# Altium PCB HallFM2_1.PcbDoc (part 3 of 3)
Units mm, origin at the board's own origin, x right, y up, seen from the top; angles counter-clockwise.
Board outline 114 x 97 mm, 4 copper layers (Top Layer, Signal Layer 1, Signal Layer 2, Bottom Layer), stack 0.971 mm thick; 267 components, 203 nets, 952 pads, 270 vias.
Unrouted connection lines stored in the file: 252.
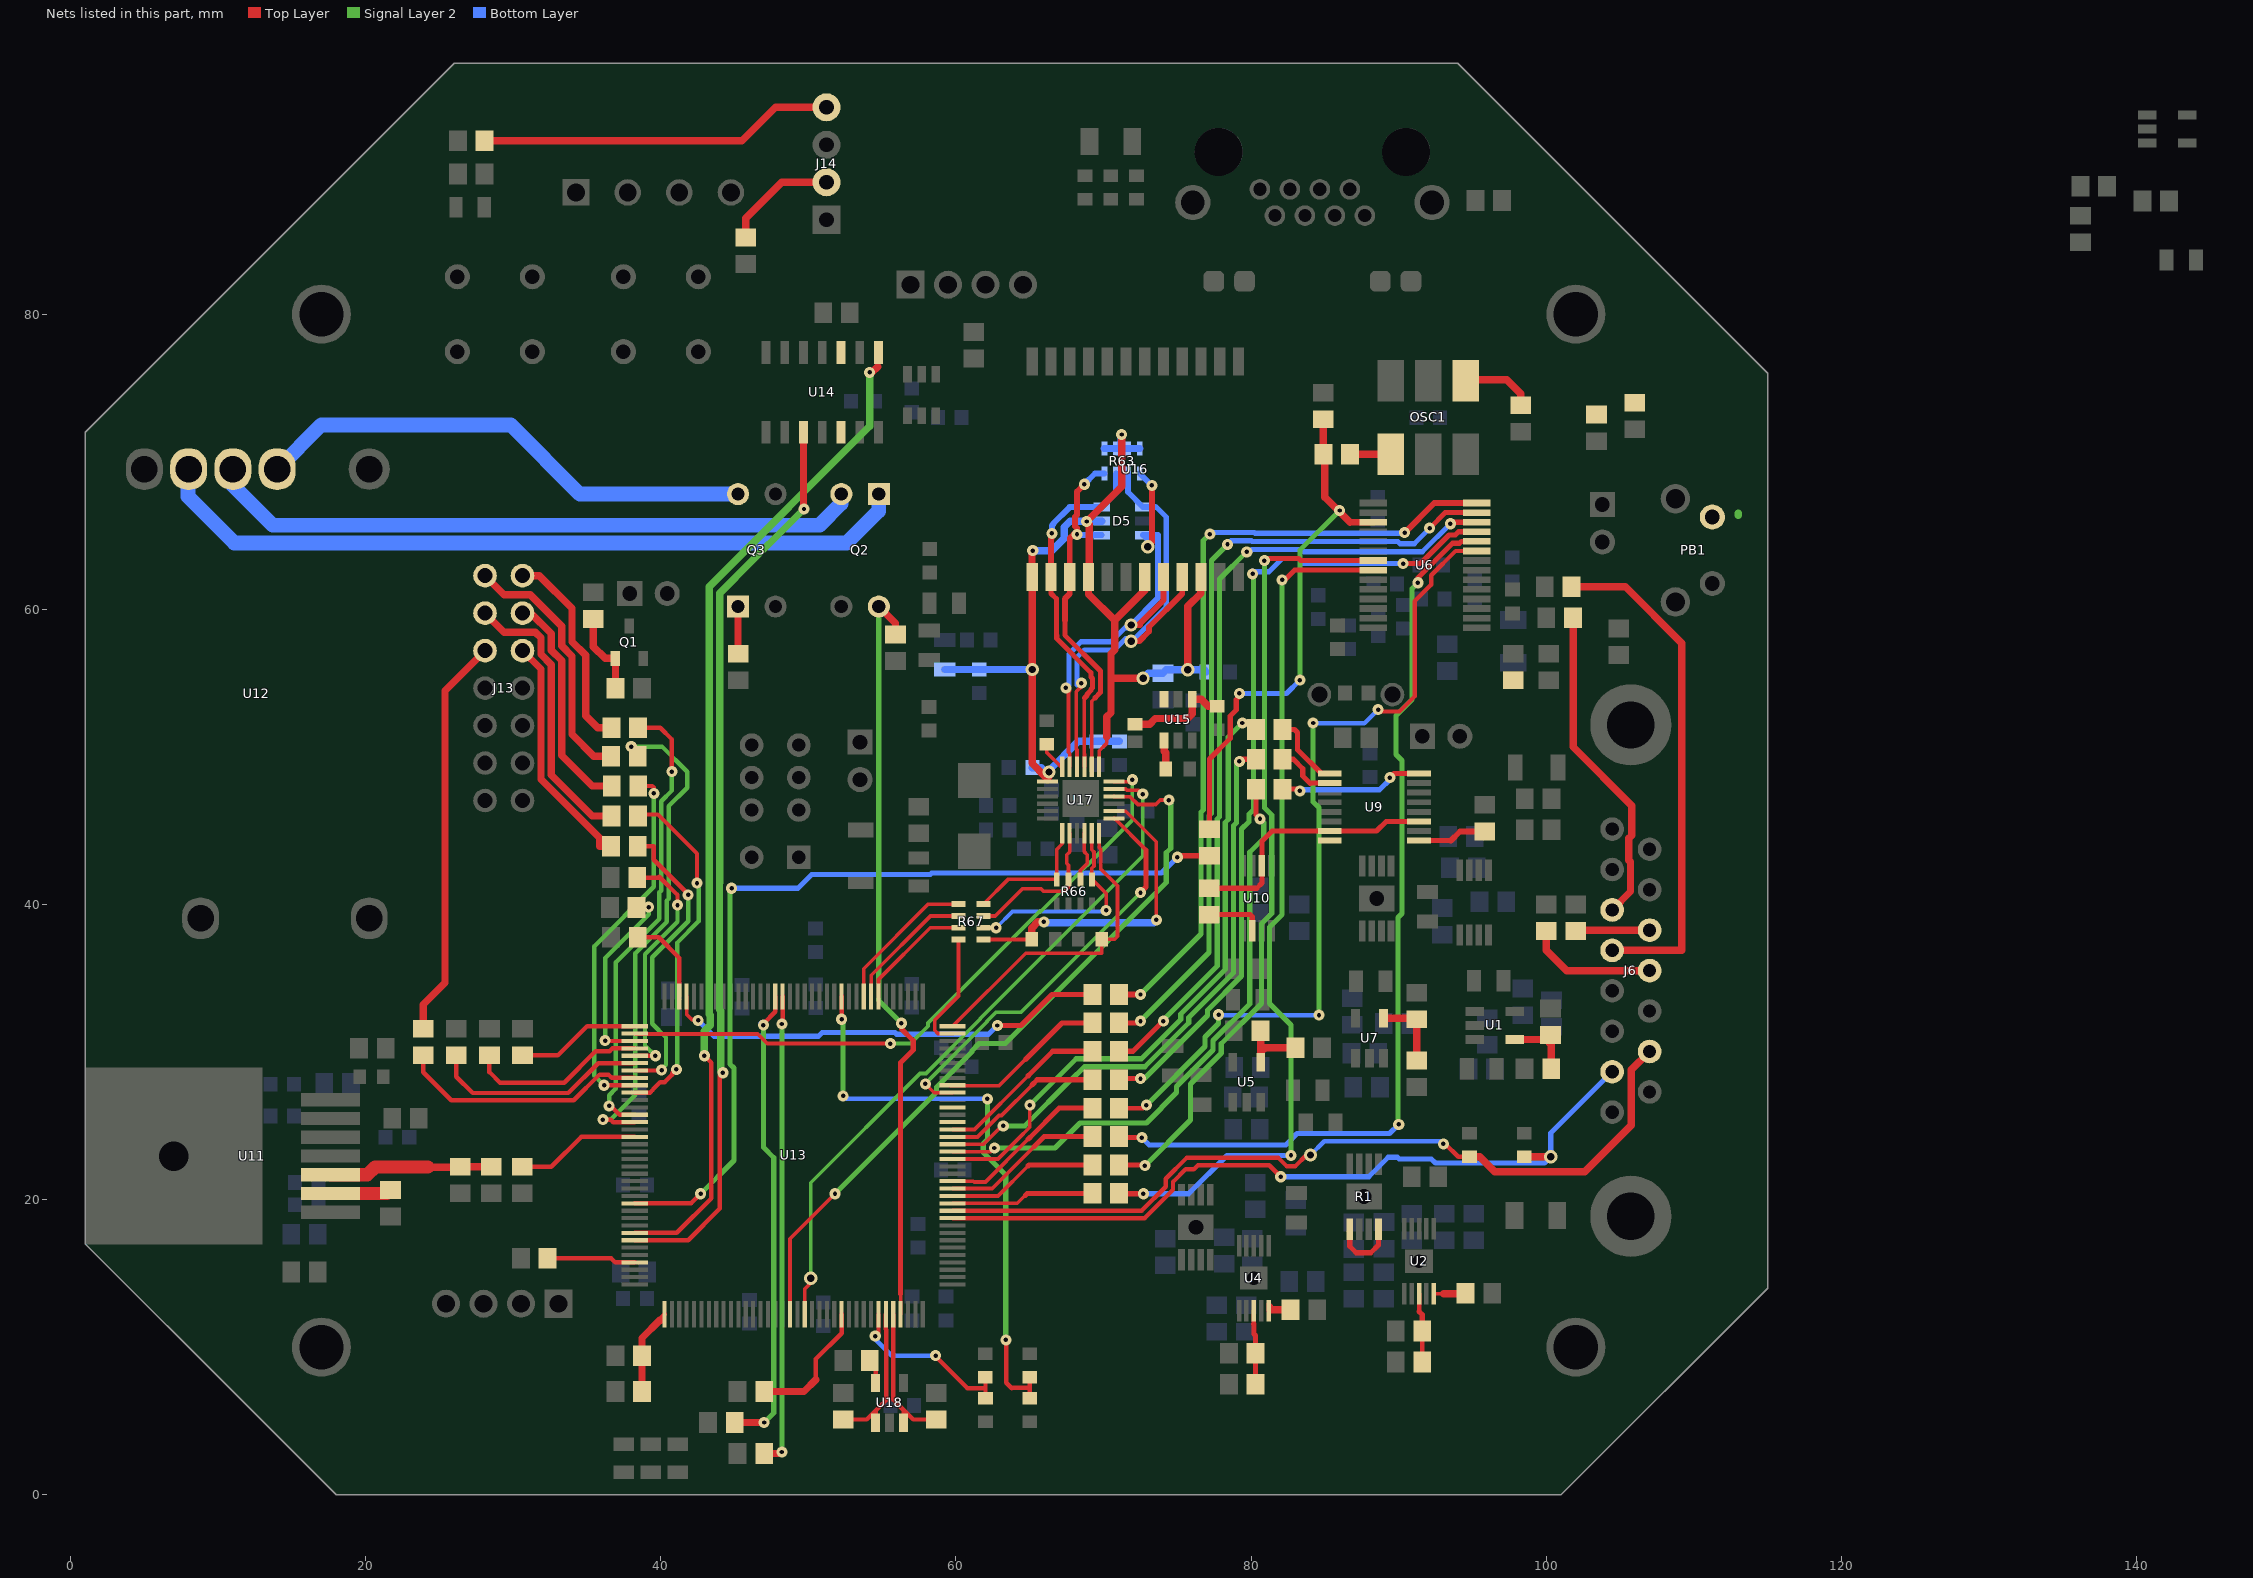
[diagram p4: the nets of this part, all layers, seen from the top]

## Via types
v1: diameter 0.75, hole 0.3, Top Layer to Bottom Layer, 182 vias
v2: diameter 0.9, hole 0.5, Top Layer to Bottom Layer, 84 vias
v3: diameter 1.27, hole 0.711, Top Layer to Bottom Layer, 4 vias

## Nets (pads, with @x,y where several pads share a name; then routed paths per layer and width w, separated by ;. In a path a pad name is that pad's centre, name@x,y a point inside that pad or via, vN(x,y) a via of type N, cw(c..) or ccw(c..) an arc to the next point about the centre after c; other vN are vias at no path point) (continued)
NetJ13_9: J13.9 R86.1 | length 16.2
  Top Layer w0.5: J13.9@30.625,57.205 31.875,55.955 31.875,48.476 35.85,44.501 35.85,43.95 R86.1@36.625,43.95
NetJ13_10: J13.10 R88.1 | length 27.4
  Top Layer w0.5: R88.1@23.9,31.575 23.9,33.225 25.375,34.7 25.375,54.495 J13.10@28.085,57.205
NetJ13_11: J13.11 R90.1 | length 15.3
  Top Layer w0.5: J13.11@30.625,59.745 31.195,59.745 32.575,58.365 32.575,57.235 33.275,56.535 33.275,50.1 35.348,48.027 R90.1@36.677,48.027
NetJ13_12: J13.12 R92.1 | length 19.3
  Top Layer w0.5: J13.12@28.085,59.745 29.375,58.455 31.495,58.455 31.875,58.075 31.875,56.945 32.575,56.245 32.575,48.777 35.352,46 R92.1@36.65,46
NetJ13_13: J13.13 R94.1 | length 14
  Top Layer w0.5: J13.13@30.625,62.285 31.765,62.285 33.975,60.075 33.975,57.815 34.9,56.89 34.9,52.8 35.725,51.975 R94.1@36.65,51.975
NetJ13_14: J13.14 R95.1 | length 17.5
  Top Layer w0.5: J13.14@28.085,62.285 29.37,61 31.138,61 33.275,58.863 33.275,57.525 33.975,56.825 33.975,51.525 35.45,50.05 R95.1@36.625,50.05
NetJ14_2: J14.2 R78.2 | length 7.8
  Top Layer w0.5: R78.2@45.75,85.2 45.75,86.5 48.19,88.94 J14.2@51.225,88.94
NetJ14_4: J14.4 R80.2 | length 24.1
  Top Layer w0.5: R80.2@28.05,91.75 45.5,91.75 47.77,94.02 J14.4@51.225,94.02
NetOSC1_1: OSC1.1 R56.2 | length 4.9
  Top Layer w0.5: OSC1.1@94.54,75.5 94.59,75.55 97.325,75.55 98.275,74.6 R56.2@98.275,73.825
NetOSC1_4: OSC1.4 R54.1 U13.23 | length 2.8
  Top Layer w0.5: R54.1@86.7,70.5 OSC1.4@89.46,70.5
NetPB1_1: PB1.1 U15.3 | length 0.1
  Signal Layer 2 w0.5: 113,66.375 113,66.5
NetQ1_1: Q1.1 R48.2 R49.1 | length 5.7
  Top Layer w0.5: R48.2@35.425,59.35 35.425,57.475 36.225,56.675 Q1.1@36.9,56.675 36.925,56.65 R49.1@36.925,54.65
NetQ2_1: Q2.1 U12.4 | length 52
  Bottom Layer w1: U12.4@8,69.5 7.95,69.45 7.95,67.65 11.1,64.5 52.6,64.5 54.77,66.67 Q2.1@54.77,67.81
NetQ2_2: Q2.2 U12.3 | length 44.7
  Bottom Layer w1: U12.3@11,69.5 11,68.4 13.7,65.7 50.75,65.7 52.23,67.18 Q2.2@52.23,67.81
NetQ2_4: Q2.4 R51.1 U13.141 | length 51.6
  Top Layer w0.25: U13.141@56.25,12.23 56.25,13.598
  Top Layer w0.35: 56.25,13.598 56.25,29.288 57.103,30.141 57.103,30.762 56.303,31.562 v1(56.303,31.952)
  Top Layer w0.5: Q2.4@54.77,60.19 55.9,59.06 R51.1@55.9,58.3
  Signal Layer 2 w0.35: Q2.4@54.77,60.19 54.77,33.484 v1(56.303,31.952)
NetQ3_1: Q3.1 R50.1 | length 3.2
  Top Layer w0.5: Q3.1@45.23,60.19 45.23,57.02 R50.1@45.25,57
NetQ3_4: Q3.4 U12.2 | length 34.4
  Bottom Layer w1: U12.2@14,69.5 17,72.5 29.825,72.5 34.515,67.81 Q3.4@45.23,67.81
NetR1_5: R1.5 R1.8 | length 4.6
  Top Layer w0.35: R1.5@86.68,18.005 86.68,16.845 87.125,16.4 88.103,16.4 88.63,16.927 R1.8@88.63,18.005
NetR2_1: R2.1 R4.2 U1.4 | length 4.7
  Top Layer w0.5: U1.4@97.855,30.855 R2.1@99.98,30.855 ; R2.1@100.28,31.155 R2.1@99.98,30.855 ; R4.2@100.33,28.88 100.33,30.505 R2.1@99.98,30.855
NetR3_2: R3.2 R34.2 U2.3 | length 4.7
  Top Layer w0.3: 91.38,12.42 U2.3@91.38,13.63 ; R34.2@91.6,9 R3.2@91.6,11.1
  Top Layer w0.35: 91.38,12.42 91.6,12.2 R3.2@91.6,11.1
NetR5_2: R5.2 U2.5 | length 2.2
  Top Layer w0.25: U2.5@92.38,13.63 93.055,13.63
  Top Layer w0.5: 93.055,13.63 94.505,13.63 R5.2@94.53,13.655
NetR9_2: R9.2 R72.2 U4.3 | length 5
  Top Layer w0.3: 80.18,11.555 U4.3@80.18,12.48
  Top Layer w0.35: 80.18,11.555 80.2,11.535 80.2,10.9 80.3,10.8 R9.2@80.3,9.6 R72.2@80.3,7.5
NetR10_2: R10.2 U4.5 | length 2.2
  Top Layer w0.3: U4.5@81.18,12.48 81.18,12.95 81.377,12.753 81.377,12.548
  Top Layer w0.5: 81.377,12.548 R10.2@82.673,12.548
NetR11_1: R11.1 U18.5 | length 1.7
  Top Layer w0.3: R11.1@54.155,9.1 54.55,8.705 U18.5@54.55,7.575
NetR12_1: R12.1 R14.2 U5.4 | length 3.9
  Top Layer w0.5: R12.1@80.655,31.43 80.655,30 80.955,30.3 R14.2@83,30.3
NetR13_1: R13.1 U6.24 | length 62.7
  Top Layer w0.35: R13.1@71.05,24.275 71.125,24.2 v1(72.6,24.2) ; v1(91.3,61.8) 91.3,62.142 93.638,64.48 94.125,64.48 94.25,64.605 U6.24@95.28,64.605
  Signal Layer 2 w0.35: v1(90,25.1) 89.95,25.15 89.95,39.111 90.225,39.386 90.225,49.767 89.825,50.167 89.825,50.52 89.819,50.526 89.819,52.808 90.9,53.888 90.9,61.4 v1(91.3,61.8)
  Bottom Layer w0.35: v1(72.6,24.2) 73.095,23.705 82.344,23.705 83.115,24.476 89.376,24.476 v1(90,25.1)
NetR13_2: R13.2 U13.14 | length 10.9
  Top Layer w0.25: U13.14@59.77,20.75 62.45,20.75 65.3,23.6
  Top Layer w0.35: 65.3,23.6 65.975,24.275 R13.2@69.25,24.275
NetR15_1: R15.1 U6.23 | length 57.5
  Top Layer w0.3: R15.1@71.05,26.2 72.7,26.2 v1(72.9,26.4) ; v1(88.6,53.2) 88.725,53.075 90.051,53.075 91.075,54.099 91.075,60.55 92.203,61.677 92.203,62.303 93.855,63.955 U6.23@95.28,63.955
  Signal Layer 2 w0.35: v1(72.9,26.4) 76.875,30.375 76.875,31.016 77.791,31.932 v1(77.791,32.529) ; v1(84.2,52.3) 84.2,46.967 84.6,46.567 v1(84.6,32.5)
  Bottom Layer w0.3: v1(77.791,32.529) 77.679,32.529 77.575,32.425 77.65,32.5 v1(84.6,32.5) ; v1(84.2,52.3) 84.225,52.275 87.675,52.275 v1(88.6,53.2)
NetR15_2: R15.2 U13.15 | length 11.6
  Top Layer w0.25: U13.15@59.77,21.25 61.179,21.25 61.229,21.2 62,21.2 64.9,24.1
  Top Layer w0.35: 65,24.2 67,26.2 R15.2@69.25,26.2
  Top Layer w0.355: 64.9,24.1 65,24.2
NetR16_1: R16.1 U6.28 | length 53.6
  Top Layer w0.4: R16.1@71.05,33.9 v1(72.5,33.9) ; v1(90.4,65.2) 92.405,67.205 U6.28@95.28,67.205
  Signal Layer 2 w0.35: v1(72.5,33.9) 76.6,38 76.6,46.25 76.755,46.405 76.755,64.655 v1(77.2,65.1)
  Bottom Layer w0.35: v1(77.2,65.1) 77.3,65.2 80.238,65.2 80.283,65.155 90.355,65.155 v1(90.4,65.2)
NetR16_2: R16.2 U13.69 | length 30.6
  Top Layer w0.25: U13.69@41.75,33.77 41.75,32.55 42.1,32.2 42.475,32.2 v1(42.525,32.15)
  Top Layer w0.35: v1(62.8,31.8) 64.4,31.8 66.5,33.9 R16.2@69.25,33.9
  Bottom Layer w0.35: v1(42.525,32.15) 43.6,31.075 50.689,31.075 50.939,31.325 55.861,31.325 55.984,31.202 62.202,31.202 v1(62.8,31.8)
NetR17_1: R17.1 U6.27 | length 54.3
  Top Layer w0.35: R17.1@71.05,31.975 72.375,31.975 v1(72.5,32.1) ; v1(92.1,65.5) 93.155,66.555 U6.27@95.28,66.555
  Signal Layer 2 w0.35: v1(72.5,32.1) 77.15,36.75 77.15,46.022 77.305,46.177 77.305,63.305 v1(78.4,64.4)
  Bottom Layer w0.35: v1@78.3,64.4 v1(78.4,64.4) 78.65,64.65 80.011,64.65 80.061,64.6 89.939,64.6 90.089,64.45 91.05,64.45 v1(92.1,65.5)
NetR17_2: R17.2 U13.28 | length 11.6
  Top Layer w0.25: 64.7,29.5 62.915,27.715 59.805,27.715 U13.28@59.77,27.75 ; U13.28@59.77,27.75 59.734,27.715 59.6,27.715 59.635,27.75 U13.28@59.77,27.75
  Top Layer w0.35: 64.7,29.5 67.175,31.975 R17.2@69.25,31.975
NetR18_1: R18.1 U6.26 | length 54.8
  Top Layer w0.35: R18.1@71.05,30.05 72,30.05 v1(74.05,32.1) ; v1(93.5,65.8) 93.605,65.905 U6.26@95.28,65.905 95.475,65.905 U6.26@95.525,65.955
  Signal Layer 2 w0.35: v1(74.05,32.1) 74.05,32.182 77.7,35.832 77.7,45.794 77.855,45.949 77.855,62.055 v1(79.7,63.9)
  Bottom Layer w0.35: v1(79.7,63.9) 79.9,63.9 80.05,64.05 83.388,64.05 83.538,63.9 91.6,63.9 v1(93.5,65.8)
NetR18_2: R18.2 U13.22 | length 11.7
  Top Layer w0.25: U13.22@59.77,24.75 61.25,24.75 64.9,28.4
  Top Layer w0.35: 64.9,28.4 66.55,30.05 R18.2@69.25,30.05
NetR19_1: R19.1 R22.2 U7.4 | length 5.1
  Top Layer w0.5: U7.4@88.98,32.28 91.17,32.28 R19.1@91.225,32.225 R22.2@91.225,29.43
NetR21_1: R21.1 R54.2 R55.2 U6.3 | length 36.4
  Top Layer w0.35: R55.2@77.175,45.1 77.175,49.853 78.58,51.258 78.58,52.773 78.987,53.18 78.987,53.887 79.2,54.1 v1(79.2,54.3)
  Top Layer w0.45: 86.695,65.905 U6.3@88.28,65.905
  Top Layer w0.5: R21.1@84.875,72.875 84.875,70.525 R54.2@84.9,70.5 85,70.4 85,67.6 86.695,65.905
  Signal Layer 2 w0.35: v1(83.3,55.2) 83.3,64 v1(86,66.7)
  Bottom Layer w0.35: v1(79.2,54.3) 82.4,54.3 v1(83.3,55.2)
NetR24_1: R24.1 U6.25 | length 55.8
  Top Layer w0.35: R24.1@71.05,28.125 71.125,28.2 v1(72.5,28.2) ; v1(90.3,63.1) 91.48,63.1 93.41,65.03 93.83,65.03 94.055,65.255 U6.25@95.28,65.255
  Signal Layer 2 w0.35: v1(72.5,28.2) 72.766,28.2 77.041,32.474 77.041,32.839 79.35,35.149 79.35,45.111 79.85,45.61 79.85,46.111 80.15,46.411 80.15,62.35 v1(80.1,62.4)
  Bottom Layer w0.35: v1(80.1,62.4) 80.1,62.6 80.15,62.55 81.211,62.55 82.111,63.45 83.211,63.45 83.561,63.1 v1(90.3,63.1)
NetR24_2: R24.2 U13.21 | length 11.1
  Top Layer w0.25: U13.21@59.77,24.25 61.46,24.25 62.91,25.7 63.084,25.7 65.159,27.775
  Top Layer w0.35: 65.159,27.775 65.509,28.125 R24.2@69.25,28.125
NetR26_1: R26.1 U6.8 | length 59.5
  Top Layer w0.35: R26.1@71.05,20.425 71.175,20.3 71.275,20.4 v1(72.7,20.4) ; v1(82.1,62) 82.29,62 82.945,62.655 U6.8@88.28,62.655
  Signal Layer 2 w0.35: v1(82.1,62) 82.1,39.311 81.25,38.461 81.25,33.289 82.7,31.839 v1(82.7,23) 82.6,23 v1@82.5,23.1
  Bottom Layer w0.35: v1(72.7,20.4) 75.761,20.4 78.361,23 v1(82.7,23)
NetR26_2: R26.2 U13.12 | length 9.8
  Top Layer w0.25: U13.12@59.77,19.75 64.15,19.75 64.7,20.3
  Top Layer w0.35: 64.7,20.3 64.825,20.425 R26.2@69.25,20.425
NetR27_1: R27.1 U6.7 | length 54.1
  Top Layer w0.35: R27.1@71.05,22.35 72.75,22.35 v1(72.8,22.3) ; v1(80.9,63.3) 81.05,63.45 83.211,63.45 83.356,63.305 U6.7@88.28,63.305
  Signal Layer 2 w0.35: v1(72.8,22.3) 75.9,25.4 75.9,27.844 77.985,29.929 77.975,29.939 77.975,30.561 80.7,33.286 80.7,38.688 81.4,39.388 81.4,46.06 80.9,46.56 v1(80.9,63.3)
NetR27_2: R27.2 U13.13 | length 10.4
  Top Layer w0.25: U13.13@59.77,20.25 62.85,20.25 64.9,22.3
  Top Layer w0.35: 64.9,22.3 64.95,22.35 R27.2@69.25,22.35
NetR31_1: R31.1 U10.2 | length 4
  Top Layer w0.35: R31.1@77.15,39.3 77.15,39.33 79.92,39.33 80.08,39.17 U10.2@80.08,38.23
NetR32_1: R32.1 U9.8
NetR35_1: R35.1 U9.9 | length 4.7
  Top Layer w0.35: U9.9@91.375,44.325 93.525,44.325
  Top Layer w0.4: 93.525,44.325 94.15,44.95 R35.1@95.825,44.95
NetR36_1: R36.1 U13.18 | length 43.2
  Top Layer w0.25: U13.18@59.77,22.75 62.84,22.75 64.397,24.308 64.792,24.703 ; 64.792,24.703 65,24.91 v1(65,26.4)
  Top Layer w0.35: v1(79.4,52.3) 79.767,52.3 80.267,51.8 R36.1@80.325,51.858
  Signal Layer 2 w0.35: v1(65,26.4) 68.15,29.55 72.561,29.55 75.225,32.214 75.225,32.579 78.25,35.604 78.25,45.566 78.45,45.766 78.45,51.35 v1(79.4,52.3)
NetR36_2: R36.2 U9.1 | length 5.1
  Top Layer w0.35: R36.2@82.125,51.858 82.942,51.858 83.15,51.65 83.15,50.489 84.764,48.875 U9.1@85.325,48.875
NetR37_1: R37.1 U13.19 | length 40.1
  Top Layer w0.25: U13.19@59.77,23.25 62.35,23.25 v1(62.6,23.5)
  Top Layer w0.35: R37.1@80.325,47.817 80.325,46.075 v1(80.6,45.8)
  Signal Layer 2 w0.35: v1(62.6,23.5) 66.7,23.5 68.4,25.2 72.9,25.2 74.95,27.25 74.95,27.672 77.425,30.147 77.425,30.788 79.9,33.263 79.9,43.539 80.85,44.489 80.85,45.55 v1(80.6,45.8)
NetR37_2: R37.2 U9.16 | length 9.9
  Top Layer w0.35: R37.2@82.125,47.817 83.283,47.817 83.3,47.8 v1(83.3,47.7) ; v1(89.4,48.6) 89.675,48.875 U9.16@91.375,48.875
  Bottom Layer w0.35: v1(83.3,47.7) 83.375,47.775 88.705,47.775 89.4,48.47 v1(89.4,48.6)
NetR38_1: R38.1 U13.20 | length 39.8
  Top Layer w0.25: U13.20@59.77,23.75 61.86,23.75 63.11,25 v1(63.2,25) ; v1(79.2,49.7) v1@79.337,49.837
  Top Layer w0.35: v1@79.337,49.837 R38.1@80.325,49.837
  Signal Layer 2 w0.35: v1(63.2,25) 64.661,25 67.761,28.1 67.8,28.1 68.7,29 72.788,29 75.775,31.987 75.775,32.352 78.8,35.377 78.8,45.338 79,45.538 79,49.7 v1(79.2,49.7)
NetR38_2: R38.2 U9.2 | length 4.2
  Top Layer w0.35: R38.2@82.125,49.837 82.863,49.837 83.5,49.2 83.5,48.7 84,48.2 84.025,48.225 U9.2@85.325,48.225
NetR43_2: R43.2 U11.2 | length 4.1
  Top Layer w0.9: U11.2@17.63,20.415 21.44,20.415 R43.2@21.675,20.65
NetR44_2: R44.2 R46.1 U11.3 | length 11.1
  Top Layer w0.5: 24.195,22.205 R46.1@26.38,22.205 ; R46.1@26.4,22.225 R44.2@28.5,22.225
  Top Layer w0.9: U11.3@17.63,21.685 20.11,21.685 20.63,22.205 24.195,22.205
NetR52_2: R52.2 U14.3
NetR55_1: R55.1 U13.97 | length 59.8
  Top Layer w0.3: U13.97@38.23,19.75 42.05,19.75 v1(42.7,20.4)
  Top Layer w0.35: v1(75,43.2) 75.1,43.3 R55.1@77.175,43.3
  Signal Layer 2 w0.35: v1(42.7,20.4) 44.95,22.65 44.95,28.911 44.675,29.186 44.675,40.975 v1(44.8,41.1)
  Bottom Layer w0.35: v1(44.8,41.1) 49.3,41.1 50.225,42.025 58.258,42.025 58.358,42.125 73.925,42.125 v1(75,43.2)
NetR57_2: R57.2 U14.12
NetR62_2: R62.2 U15.4 | length 2
  Top Layer w0.5: U15.4@74.105,51.113 74.105,50.395 74.225,50.275 R62.2@74.225,49.175
NetR64_2: R64.2 R67.5 U17.14 | length 22.1
  Top Layer w0.25: R67.5@61.875,37.625 65.1,37.625 R64.2@65.125,37.65 ; U17.14@70.705,46.325 71.505,46.325 73.578,44.252 v1(73.578,38.952)
  Top Layer w0.5: R64.2@65.125,37.65 65.125,38.4 65.55,38.825 v1(65.95,38.825)
  Bottom Layer w0.25: v1(73.578,38.952) 73.578,38.847 v1@73.65,38.775
  Bottom Layer w0.5: v1(65.95,38.825) 65.9,38.775 73.401,38.775 v1(73.578,38.952)
NetR66_1: R66.1 R67.6 U17.11 | length 14.5
  Top Layer w0.25: R67.6@61.875,38.425 v1(62.725,38.425) ; U17.11@69.2,44.82 69.2,43.701 69.35,43.551 69.35,42.599 69.2,42.449 69.2,41.725 R66.1@69.225,41.7 70.175,40.75 v1(70.175,39.6)
  Bottom Layer w0.25: v1(62.725,38.425) 63.825,39.525 70.1,39.525 v1(70.175,39.6)
NetR66_2: R66.2 U17.10 | length 3.4
  Top Layer w0.25: R66.2@68.425,41.7 68.425,42.31 68.9,42.785 68.9,43.365 68.7,43.565 U17.10@68.7,44.82
NetR66_3: R66.3 R67.7 U17.8 | length 10.5
  Top Layer w0.25: R67.7@61.875,39.225 62.665,39.225 64.515,41.075 65.746,41.075 65.921,40.9 67.375,40.9 67.625,41.15 R66.3@67.625,41.7 67.625,42.66 67.5,42.785 67.5,43.365 67.7,43.565 U17.8@67.7,44.82
NetR66_4: R66.4 R67.8 U17.7 | length 8.9
  Top Layer w0.25: R67.8@61.875,40.025 61.875,40.05 63.525,41.7 R66.4@66.825,41.7 66.825,43.732 67.2,44.107 U17.7@67.2,44.82
NetR68_2: R68.2 U17.24 | length 2
  Top Layer w0.25: R68.2@66.15,50.85 66.15,50.3 67.12,49.33 U17.24@67.2,49.33
NetR70_1: R70.1 U13.140 U18.3 | length 10.1
  Top Layer w0.3: U13.140@55.75,12.23 55.76,12.22 55.76,6.44 56.5,5.7 ; U18.3@56.45,4.875 56.45,5.65 56.5,5.7 ; R70.1@58.655,5.1 57.1,5.1 56.5,5.7
NetR71_1: R71.1 U13.139 U18.1 | length 10.1
  Top Layer w0.3: R71.1@52.355,5.1 53.955,5.1 54.55,5.695 ; U18.1@54.55,4.875 54.55,5.695 ; U13.139@55.25,12.23 55.25,11.207 55.26,11.196 55.26,6.405 54.55,5.695
NetR73_1: R73.1 R75.1 U13.109 | length 5.9
  Top Layer w0.3: 40,11.825 40,11.98 U13.109@40.25,12.23
  Top Layer w0.5: R73.1@38.725,7 R75.1@38.725,9.425 38.725,10.625 39.925,11.825 40,11.825
NetR74_1: R74.1 U13.105 | length 6.1
  Top Layer w0.3: R74.1@32.325,16.025 36.625,16.025 36.9,15.75 U13.105@38.23,15.75
  Top Layer w0.5: R74.1@32.325,16.025 R74.1@32.375,15.975
NetR76_1: R76.1 U13.133 | length 9
  Top Layer w0.3: 50.5,7.8 50.5,9.2 52.25,10.95 U13.133@52.25,12.23
  Top Layer w0.5: R76.1@47,7 49.7,7 50.5,7.8
NetR77_1: R77.1 R99.1 U13.138 | length 12.3
  Top Layer w0.3: v1(54.528,10.751) 54.75,10.973 U13.138@54.75,12.23 ; v1(58.625,9.425) 58.55,9.5 58.5,9.5 60.775,7.225 62,7.225 ; R99.1@61.975,7.95 62,7.925 62,7.225 ; R77.1@62,6.55 62,7.225
  Bottom Layer w0.3: v1(54.528,10.751) 54.528,10.547 54.7,10.375 55.65,9.425 v1(58.625,9.425)
NetR81_1: R81.1 U13.56 | length 32.1
  Top Layer w0.3: v1(48.2,31.9) 48.25,31.95 U13.56@48.25,33.77
  Top Layer w0.5: R81.1@47,2.8 48.1,2.8 v1(48.2,2.9)
  Signal Layer 2 w0.35: v1(48.2,2.9) v1(48.2,31.9)
NetR82_1: R82.1 U13.57 | length 32
  Top Layer w0.3: v1(46.95,31.825) 46.95,31.925 47.75,32.725 U13.57@47.75,33.77
  Top Layer w0.5: R82.1@45,4.9 v1(47,4.9)
  Signal Layer 2 w0.35: v1(46.95,31.825) 46.95,23.543 47.65,22.843 47.65,5.55 v1(47,4.9)
  Bottom Layer w0.35: v1@46.8,31.975 v1(46.95,31.825)
NetR83_1: R83.1 U13.88 | length 8.5
  Top Layer w0.3: R83.1@30.6,22.225 32.575,22.225 34.6,24.25 U13.88@38.23,24.25
NetR97_1: R97.1 R98.1 U13.48 | length 39.8
  Top Layer w0.3: v1(52.25,32.225) U13.48@52.25,33.77 ; v1(63.375,10.5) 63.4,10.475 63.4,7.6 63.775,7.225 63.8,7.25 65,7.25 ; R97.1@65,6.55 65,7.25 ; R98.1@65,7.95 65,7.25
  Signal Layer 2 w0.35: v1(52.25,32.225) 52.35,32.125 v1(52.35,27.025) ; v1(62.125,26.825) 62.125,24.086 61.85,23.811 61.85,23.189 63.375,21.664 v1(63.375,10.5)
  Bottom Layer w0.3: v1(52.35,27.025) 52.55,26.825 v1(62.125,26.825)
NetU13_101: U13.101 U14.1 | length 67.7
  Top Layer w0.3: U13.101@38.23,17.75 41.075,17.75 43.425,20.1 43.425,29.275 v1(42.95,29.75)
  Top Layer w0.5: v1(54.153,76.054) 54.304,76.054 54.7,76.45
  Signal Layer 2 w0.5: v1(42.95,29.75) 42.95,31.408 43.35,31.808 43.35,32.492 43.275,32.567 43.275,41.102 43.275,61.542 54.153,72.419 v1(54.153,76.054)
NetU13_102: U13.102 U14.10 | length 61.8
  Top Layer w0.3: U13.102@38.23,17.25 41.85,17.25 44,19.4 44,28.4 v1(44.2,28.6)
  Top Layer w0.5: U14.10@49.67,72 49.67,66.83 v1(49.7,66.8)
  Signal Layer 2 w0.5: v1(44.2,28.6) 44.05,28.75 44.05,32.782 43.975,32.857 43.975,41.442 44,41.467 44,61.096 45.054,62.15 45.054,62.154 v1(49.7,66.8)
NRST: J10.2 R61.2 U13.25 U15.1 | length 7.1
  Top Layer w0.5: J10.2@72.125,52.225 73.125,52.225 73.5,52.6 75.7,52.6 76.005,52.905 U15.1@76.005,53.913 76.612,53.913 77.087,53.438 R61.2@77.705,53.438
PA1_REF_CLK: R67.4 U13.35 | length 8.1
  Top Layer w0.25: U13.35@59.77,31.25 58.781,31.25 58.556,31.476 58.556,32.175 60.175,33.794 R67.4@60.175,37.625
PA2_MDIO: R65.2 U13.36 U17.12 | length 21.8
  Top Layer w0.25: U13.36@59.77,31.75 64.72,36.7 69.875,36.7 R65.2@69.875,37.65 70.75,37.65 70.95,37.85 70.95,41.275 69.8,42.425 69.8,43.738 69.7,43.838 U17.12@69.7,44.82
PA7_CSR_DV: R67.3 U13.43 | length 8
  Top Layer w0.25: U13.43@54.75,33.77 54.75,34.925 58.25,38.425 R67.3@60.175,38.425
PB11: R87.1 U13.70 | length 6
  Top Layer w0.3: R87.1@38.425,37.775 39.85,37.775 41.25,36.375 U13.70@41.25,33.77
PB12: R89.1 U13.73 | length 8.4
  Top Layer w0.3: R89.1@30.625,29.775 33.025,29.775 35,31.75 U13.73@38.23,31.75
PB13_TXD1: U13.74 U17.18 | length 44.4
  Top Layer w0.25: U13.74@38.23,31.25 38.255,31.225 46.56,31.225 47.21,30.575 v1(55.55,30.575) ; U17.18@70.705,48.325 71.826,48.325 v1(71.953,48.452)
  Signal Layer 2 w0.25: v1(55.55,30.575) 56.922,30.575 58.103,31.756 58.103,31.968 65.66,39.525 65.746,39.525 71.953,45.732 v1(71.953,48.452)
PB14: R91.1 U13.75 | length 13.1
  Top Layer w0.3: v1(36.225,30.775) 36.4,30.775 36.425,30.75 U13.75@38.23,30.75 ; R91.1@38.35,39.8 39.15,39.8 v1(39.177,39.827)
  Signal Layer 2 w0.3: v1(36.225,30.775) 36.225,36.375 39.177,39.327 v1(39.177,39.827)
PB15: R93.1 U13.76 | length 12.2
  Top Layer w0.3: R93.1@28.383,29.775 28.383,28.642 29.1,27.925 33.45,27.925 35.575,30.05 36.525,30.05 36.725,30.25 U13.76@38.23,30.25
PC1_MDC: U13.27 U17.13 | length 28.2
  Top Layer w0.25: v1(57.925,27.85) 58.525,27.25 U13.27@59.77,27.25 ; U17.13@70.705,45.825 70.75,45.825 72.878,43.697
  Top Layer w0.35: v1(72.5,40.8) 72.878,41.178 72.878,43.697
  Signal Layer 2 w0.25: v1(57.925,27.85) 57.925,27.874 62.1,32.049 62.1,32.09 62.71,32.7 64.4,32.7 v1(72.5,40.8)
PC4_RXD0: R67.2 U13.44 | length 9
  Top Layer w0.25: U13.44@54.25,33.77 54.25,35.2 58.275,39.225 R67.2@60.175,39.225
PC5_RXD1: R67.1 U13.45 | length 10.1
  Top Layer w0.25: U13.45@53.75,33.77 53.75,35.65 58.125,40.025 R67.1@60.175,40.025
PD8: R84.2 U13.77 | length 16.8
  Top Layer w0.3: U13.77@38.23,29.75 v1(39.625,29.75) ; R84.2@38.45,41.875 R84.2@38.4,41.825 39.85,41.825 39.9,41.875 41.127,40.648 v1(41.127,39.952)
  Signal Layer 2 w0.3: v1(39.625,29.75) 38.925,30.45 38.925,36.635 41.127,38.837 v1(41.127,39.952)
PD9: R85.2 U13.78 | length 14.8
  Top Layer w0.3: R85.2@26.142,29.775 26.142,28.333 27.25,27.225 33.725,27.225 35.75,29.25 U13.78@38.23,29.25
PD10: R86.2 U13.79 | length 20.6
  Top Layer w0.3: U13.79@38.23,28.75 40.025,28.75 v1(40.05,28.775) ; R86.2@38.425,43.95 39.525,43.95 39.525,43.025 41.852,40.698 v1(41.852,40.652)
  Signal Layer 2 w0.3: v1(40.05,28.775) 40.05,28.85 40.35,29.15 40.35,30.994 39.425,31.919 39.425,36.428 41.852,38.855 v1(41.852,40.652)
PD11: R88.2 U13.80 | length 17.1
  Top Layer w0.3: R88.2@23.9,29.775 23.9,28.625 25.8,26.725 34.1,26.725 35.85,28.475 36.45,28.475 36.675,28.25 U13.80@38.23,28.25
PD12: R90.2 U13.81 | length 25.3
  Top Layer w0.3: v1(36.15,27.75) U13.81@38.23,27.75 ; R90.2@38.477,48.027 39.423,48.027 39.525,47.925 v1(39.525,47.525)
  Signal Layer 2 w0.3: v1(36.15,27.75) 35.5,28.4 35.5,37.175 39.525,41.2 v1(39.525,47.525)
PD13: R92.2 U13.82 | length 24
  Top Layer w0.3: U13.82@38.23,27.25 39.262,27.25 39.469,27.457 39.469,27.475 39.946,27.951 40.252,27.951 40.775,28.475 40.775,28.55 v1(41.05,28.825) ; R92.2@38.45,46 38.55,46.1 39.8,46.1 42.45,43.45 v1(42.45,41.443)
  Signal Layer 2 w0.3: v1(41.05,28.825) 41.125,28.9 41.125,37.421 42.577,38.873 42.577,41.316 v1(42.45,41.443)
PD14: R94.2 U13.85 | length 31.2
  Top Layer w0.3: v1(36.5,26.35) 36.603,26.35 37.203,25.75 U13.85@38.23,25.75 ; R94.2@38.45,51.975 39.962,51.975 40.75,51.187 v1(40.75,49)
  Signal Layer 2 w0.3: v1(36.5,26.35) 36.5,27.075 36.95,27.525 36.95,36.075 39.902,39.026 39.902,40.82 40.025,40.943 40.025,47 40.75,47.725 v1(40.75,49)
PD15: R95.2 U13.86 | length 33.8
  Top Layer w0.3: v1(36.077,25.426) 36.599,25.426 36.776,25.25 U13.86@38.23,25.25 ; v1(37.995,50.7) 37.995,50.58 38.475,50.1 R95.2@38.425,50.05
  Signal Layer 2 w0.3: v1(36.077,25.426) 36.602,25.426 38.275,27.1 38.275,36.693 40.402,38.819 40.402,40.252 40.525,40.375 40.525,46.65 41.788,47.914 41.788,48.987 40.075,50.7 v1(37.995,50.7)
PG11_TX_EN: U13.126 U17.16 | length 50.9
  Top Layer w0.25: U13.126@48.75,12.23 48.75,17.35 v1(51.8,20.4) ; U17.16@70.705,47.325 70.74,47.29 71.812,47.29 72.325,46.777 73.543,46.777 73.843,47.077 v1(74.428,47.077) v1@74.315,47.19
  Signal Layer 2 w0.35: v1(51.8,20.4) 58.675,27.275 58.675,27.614 61.075,30.014 61.075,30.092 61.558,30.575 63.336,30.575 74.25,41.489 74.25,43.511 74.55,43.811 74.55,46.955 v1(74.428,47.077)
PG13_TXD0: U13.128 U17.17 | length 46.7
  Top Layer w0.25: U13.128@49.75,12.23 49.75,13.95 50.152,14.352 v2(50.152,14.675) ; U17.17@70.705,47.825 71.505,47.825 71.59,47.74 v1@72.39,47.74
  Signal Layer 2 w0.25: v2(50.152,14.675) 50.152,21.142 57.56,28.55 57.965,28.55 61.65,32.235 61.65,32.276 72.653,43.279 v1(72.653,47.477)
ProbeEEPROM_SCL: J6.14 R60.2 U13.11 | length 57
  Top Layer w0.3: U13.11@59.77,19.25 72.575,19.25 74.205,20.88 74.205,21.407 75.623,22.825 81.85,22.825 82.4,22.275 83,22.275 83.725,23 84,23 v2(84.025,23.025) ; v1(93.025,23.775) 93.15,23.775 94.025,22.9 R60.2@94.8,22.9
  Top Layer w0.5: R60.2@94.8,22.9 95.5,22.9 96.5,21.9 102.6,21.9 105.75,25.05 105.75,28.79 J6.14@107,30.04 106.699,30.341 J6.14@106.518,30.16
  Bottom Layer w0.3: v2(84.025,23.025) 84.951,23.951 92.849,23.951 v1(93.025,23.775)
ProbeEEPROM_SDA: J6.7 R59.2 U13.10 | length 52.8
  Top Layer w0.3: U13.10@59.77,18.75 72.782,18.75 74.705,20.673 74.705,21.2 75.555,22.05 76.125,22.05 76.4,22.325 81.23,22.325 v1(82.004,21.551)
  Top Layer w0.5: R59.2@98.5,22.9 v2(100.3,22.9)
  Bottom Layer w0.35: v1(82.004,21.551) 87.969,21.551 89.294,22.876 89.915,22.876 90.033,22.758 92.203,22.758 92.487,22.475 99.875,22.475 v2(100.3,22.9) 100.3,24.51 J6.7@104.46,28.67
RD_N: D5.1 R63.2 U16.9 U17.22 | length 32.5
  Top Layer w0.25: U17.22@68.2,49.33 68.2,50.478 68.15,50.528 68.15,54.425 68.5,54.775 v1(68.5,55)
  Top Layer w0.4: v2(71.864,57.836) 72.417,57.836 73.081,58.5 73.081,58.799 75.33,61.048 U16.9@75.33,62.2
  Bottom Layer w0.35: v1(68.5,55) 68.45,55 68.388,55.063 68.2,54.875 68.2,56.75 68.7,57.25 70.728,57.25 71.5,58.022 71.678,58.022 v2(71.864,57.836) 71.931,57.836 74.25,60.155 74.25,66.25 73.575,66.925 73.5,66.925
  Bottom Layer w0.4: R63.2@71.65,69.2 71.65,67.95 D5.1@72.675,66.925 73.5,66.925
RD_P: D5.3 R63.1 U16.8 U17.23 | length 31.7
  Top Layer w0.25: v1@67.625,54.5 67.625,50.311 67.68,50.255 ; U17.23@67.7,49.33 67.7,50.236
  Top Layer w0.4: v1(67.45,54.675) v1@67.625,54.5 ; v2(71.864,58.936) 72.481,58.936 72.481,59.047 74.06,60.626 U16.8@74.06,62.2 U16.8@73.975,62.285 ; v2(73,64.25) 73.275,64.525 v1(73.275,68.4)
  Bottom Layer w0.35: v1(67.45,54.675) 67.65,54.875 67.65,56.978 68.472,57.8 70.5,57.8 71.45,58.75 71.678,58.75 v2(71.864,58.936) ; D5.3@72.675,65.025 73,64.7 v2(73,64.25)
  Bottom Layer w0.4: v2(71.864,58.936) 73.675,60.747 73.675,65.025 D5.3@72.675,65.025 ; R63.1@72.45,69.2 73.25,68.4 v1(73.275,68.4)
TD_N: D5.4 R63.4 U16.3 U17.20 | length 24.5
  Top Layer w0.25: U17.20@69.2,49.33 69.2,52.871
  Top Layer w0.254: 69.2,52.871 69.2,53.775 69.433,54.008
  Top Layer w0.35: 67.375,59.25 67.375,58.25 69.8,55.825 69.8,54.375 69.433,54.008
  Top Layer w0.4: 67.375,59.25 67.375,60.712 67.71,61.048 U16.3@67.71,62.2 67.71,64.815 67.97,65.075 v1(68.2,65.075) 68.2,65.504 68.075,65.629 68.075,66.271 68.2,66.396 68.2,67.975 v1(68.7,68.475)
  Bottom Layer w0.4: v1(68.2,65.075) 68.25,65.025 D5.4@69.875,65.025 ; v1(68.7,68.475) 69.425,69.2 R63.4@70.05,69.2
TD_P: D5.6 R63.3 U16.2 U17.21 | length 24.4
  Top Layer w0.25: 68.698,52.871 68.698,53.983
  Top Layer w0.254: 68.698,52.871 68.698,50.159 68.7,50.157 U17.21@68.7,49.33
  Top Layer w0.35: U16.2@66.44,62.2 66.44,61.073 66.8,60.713 66.8,58.25 66.825,58.225 66.825,58.022 69.138,55.71 69.138,55.423 69.25,55.311 69.25,54.689 69.138,54.577 69.138,54.49 68.883,54.236 68.883,54.168 68.698,53.983
  Top Layer w0.4: U16.2@66.44,62.2 66.44,64.815 66.5,64.875 v1(66.5,65.15)
  Bottom Layer w0.4: v1(66.5,65.15) 66.5,65.671 66.6,65.771 66.575,65.796 67.704,66.925 D5.6@69.875,66.925 70.85,67.9 R63.3@70.85,69.2
VCalibr: R31.2 U9.7 U9.11 U10.6 | length 17.8
  Top Layer w0.35: R31.2@77.15,41.1 80.378,41.1 80.73,41.452 U10.6@80.73,42.63 80.73,44.28 81.425,44.975 U9.7@85.325,44.975 88.5,44.975 89.15,45.625 U9.11@91.375,45.625
VDDA_Eth: C71.1 C77.2 C78.2 C79.2 C82.2 C85.2 D5.5 L14.1 R63.5 R63.6 R63.7 R63.8 U16.1 U16.4 U16.7 U16.10 U17.1 U17.19 | length 81.1
  Top Layer w0.25: U17.1@66.195,48.325 66.195,48.53 ; U17.19@69.7,49.33 69.7,50.425 70.225,50.95 70.225,51.35
  Top Layer w0.5: v1@65.15,63.975 65.15,62.22 U16.1@65.17,62.2 65.17,49.555 v2@66.025,48.7 ; 66.195,48.53 v2@66.3,48.635 ; 70.225,51.35 70.225,52.725 70.5,53 70.5,55.325 ; v1(71.225,71.85) 71.225,68.325 v1(68.85,65.95) 69.025,65.775 69.025,62.245 U16.4@68.98,62.2 68.98,61.02 70.75,59.25 ; v2(72.678,55.327) 70.502,55.327 70.5,55.325 ; U16.7@72.79,62.2 72.79,61.29 70.75,59.25 ; v2(75.7,55.9) 75.7,60.2 76.575,61.075 ; 70.5,55.325 70.5,57 70.75,57.25 70.75,59.25 ; 76.575,61.075 76.6,61.1 U16.10@76.6,62.2 76.575,62.175 76.575,61.075
  Bottom Layer w0.5: L14.1@59.25,55.925 C71.1@61.575,55.925 v2(65.175,55.925) ; C77.2@65.175,49.275 65.775,49.275 66.05,49 66.275,49 v2(66.3,48.975) 66.3,49.075 68.275,51.05 C85.2@69.55,51.05 C78.2@71.075,51.05 ; v1(65.2,63.975) 66.492,63.975 67.325,64.808 67.325,65.575 67.725,65.975 D5.5@69.875,65.975 ; R63.5@70.05,70.9 R63.6@70.85,70.9 71.2,70.9 ; v1(71.225,71.85) 71.2,71.825 71.2,70.9 ; R63.8@72.45,70.9 R63.7@71.65,70.9 71.2,70.9 ; v2(72.678,55.327) 73.026,55.675 C79.2@74.025,55.675 ; C79.2@74.15,55.8 74.25,55.9 v2(75.7,55.9) 76.825,55.9 C82.2@76.975,55.75
VHall1N: J6.11 R23.1 | length 5
  Top Layer w0.5: R23.1@102,38.2 102.06,38.26 J6.11@107,38.26
VHall1P: J6.12 R20.1 | length 8.9
  Top Layer w0.5: R20.1@100,38.2 100,36.9 101.38,35.52 J6.12@107,35.52
VHall2N: J6.3 R28.1 | length 22.1
  Top Layer w0.5: R28.1@101.805,59.43 101.825,59.41 101.825,50.675 105.8,46.7 105.8,44.682 105.6,44.482 105.6,42.998 105.71,42.888 105.71,40.88 J6.3@104.46,39.63
VHall2P: J6.4 R25.1 | length 34.6
  Top Layer w0.5: R25.1@101.705,61.53 105.37,61.53 109.19,57.71 109.19,36.89 J6.4@104.46,36.89
pads on no net: C16.1 C16.2 C17.1 C17.2 C70.1 C70.2 J4.4 J5.0 J6.5 J6.6 J6.13 L3.1 L3.2 OSC1.2 OSC1.5 PB1.3 PB1.4 R7.4 R7.5 R33.3 R33.4 R33.5 R33.6 U3.1 U3.2 U3.3 U3.4 U3.5 U6.4 U10.1 U10.5 U10.8 U11.4 U13.1 U13.2 U13.3 U13.4 U13.5 U13.7 U13.8 U13.9 U13.24 U13.26 U13.29 U13.34 U13.37 U13.40 U13.41 U13.42 U13.46 U13.47 U13.49 U13.50 U13.53 U13.54 U13.55 U13.58 U13.59 U13.60 U13.63 U13.64 U13.65 U13.66 U13.67 U13.68 U13.87 U13.89 U13.90 U13.91 U13.92 U13.93 U13.96 U13.98 U13.99 U13.100 U13.103 U13.104 U13.110 U13.111 U13.112 U13.113 U13.114 U13.115 U13.116 U13.117 U13.118 U13.119 U13.122 U13.123 U13.124 U13.125 U13.127 U13.129 U13.132 U13.134 U13.135 U13.136 U13.137 U13.142 U14.6 U14.8 U16.5 U16.6 U16.11 U16.12

## Silkscreen, mask and mechanical layers (free items; w line width, h text height)
Top Overlay:
  lines w0.25: 115.4,15.77 115.4,10.975 115.4,56.85 ; 115.4,56.85 115.4,56.85
Mechanical 3:
  circle w0.02: c77.963,52.806 r1.6
  circle w0.02: c13.613,83.806 r1.6
  circle w0.02: c-1.287,-2.094 r2.067
  circle w0.02: c6.713,46.906 r1.75
  circle w0.02: c6.713,46.906 r5
  circle w0.02: c6.713,46.906 r6
  circle w0.02: c13.613,39.306 r1.6
  circle w0.02: c123.713,-2.094 r2.067
  circle w0.02: c105.713,46.906 r1.75
  circle w0.02: c98.813,39.306 r1.6
  circle w0.02: c105.713,46.906 r5
  circle w0.02: c105.713,46.906 r6
  circle w0.02: c-1.287,95.906 r2.067
  circle w0.02: c123.713,95.906 r2.067
  circle w0.02: c106.2,25.649 r1.6
  lines w0.02: -3.702,-2.741 cw(c-1.287,-2.094) -1.934,-4.509 ; -3.702,95.259 cw(c-1.287,95.906) -1.934,93.491 ; -2.233,-3.932 cw(c0.713,-4.094) 0.551,-1.148 ; -2.233,97.744 ccw(c0.713,97.906) 0.551,94.961 ; 113.756,66.387 115.756,66.387 ; 115.337,2.606 ccw(c113.213,7.133) 118.213,7.133 ; 121.001,6.099 ccw(c154.547,-75.117) 106.182,-1.753 ; 121.298,-2.741 cw(c123.713,-2.094) 123.066,-4.509 ; 121.298,95.259 cw(c123.713,95.906) 123.066,93.491 ; 121.764,4.251 ccw(c154.547,-75.117) 107.283,-3.423 ; 121.875,-1.148 cw(c121.713,-4.094) 124.659,-3.932 ; 121.875,94.961 ccw(c121.713,97.906) 124.659,97.744 ; 123.213,9.406 123.213,84.406 ; 125.213,9.406 125.213,84.406 ; 125.337,2.606 114.336,-2.556 ; -5.787,7.133 ccw(c-0.787,7.133) -2.911,2.606 8.091,-2.556 ; -5.787,7.133 -5.787,86.68 ; -5.787,7.133 -5.787,-2.072 ccw(c-0.465,-2.072) 3.213,-5.918 6.213,-3.048 cw(c7.595,-4.494) 8.091,-2.556 ; -5.787,86.68 cw(c-0.787,86.68) -2.911,91.206 8.091,96.369 ; -5.787,86.68 -5.787,95.885 cw(c-0.465,95.885) 3.213,99.73 6.213,96.861 ccw(c7.595,98.306) 8.091,96.369 ; -2.787,9.406 ccw(c2.791,9.406) 0.662,4.251 ; -2.787,9.406 -2.787,84.406 ; -2.787,9.406 -0.787,9.406 ; -2.787,84.406 cw(c2.791,84.406) 0.662,89.562 ; -2.787,84.406 -0.787,84.406 ; -0.787,9.406 ccw(c2.791,9.406) 1.425,6.099 ; -0.787,9.406 -0.787,84.406 ; -0.787,84.406 cw(c2.791,84.406) 1.425,87.713 ; 0.662,4.251 cw(c-32.121,-75.117) 15.143,-3.423 ; 0.662,4.251 1.425,6.099 ; 0.662,89.562 ccw(c-32.121,168.93) 15.143,97.235 ; 0.662,89.562 1.425,87.713 ; 1.425,6.099 cw(c-32.121,-75.117) 16.244,-1.753 ; 1.425,87.713 ccw(c-32.121,168.93) 16.244,95.566 ; 8.091,-2.556 cw(c7.595,-4.494) 8.769,-2.875 13.213,-6.096 ccw(c17.213,-0.579) 17.213,-7.394 49.213,-7.394 ; 8.091,96.369 ccw(c7.595,98.306) 8.769,96.687 13.213,99.909 cw(c17.213,94.392) 17.213,101.206 105.213,101.206 cw(c105.213,94.392) 109.213,99.909 113.657,96.687 ccw(c114.831,98.306) 114.336,96.369 ; 15.143,-3.423 ccw(c18.213,1.235) 18.213,-4.344 ; 15.143,-3.423 16.244,-1.753 ; 15.143,97.235 cw(c18.213,92.578) 18.213,98.156 ; 15.143,97.235 16.244,95.566 ; 16.244,-1.753 ccw(c18.213,1.235) 18.213,-2.344 ; 16.244,95.566 cw(c18.213,92.578) 18.213,96.156 ; 18.213,-4.344 104.213,-4.344 ; 18.213,-4.344 18.213,-2.344 ; 18.213,-2.344 104.213,-2.344 ; 18.213,96.156 104.213,96.156 cw(c104.213,92.578) 106.182,95.566 ; 18.213,96.156 18.213,98.156 ; 18.213,98.156 104.213,98.156 cw(c104.213,92.578) 107.283,97.235 ; 49.213,-7.394 49.213,-9.994 -5.387,-9.994 cw(c-5.387,-6.994) -8.387,-6.994 -8.387,100.806 cw(c-5.387,100.806) -5.387,103.806 127.813,103.806 cw(c127.813,100.806) 130.813,100.806 130.813,-6.994 cw(c127.813,-6.994) 127.813,-9.994 73.213,-9.994 73.213,-7.394 ; 49.213,-7.394 49.213,-6.844 73.213,-6.844 73.213,-7.394 ; 73.213,-7.394 105.213,-7.394 ccw(c105.213,-0.579) 109.213,-6.096 113.657,-2.875 cw(c114.831,-4.494) 114.336,-2.556 ; 104.213,-4.344 ccw(c104.213,1.235) 107.283,-3.423 ; 104.213,-4.344 104.213,-2.344 ; 104.213,-2.344 ccw(c104.213,1.235) 106.182,-1.753 ; 106.182,-1.753 107.283,-3.423 ; 106.182,95.566 ccw(c154.547,168.93) 121.001,87.713 ; 106.182,95.566 107.283,97.235 ; 107.283,97.235 ccw(c154.547,168.93) 121.764,89.562 ; 114.336,-2.556 cw(c114.831,-4.494) 116.213,-3.048 119.213,-5.918 ccw(c122.891,-2.072) 128.213,-2.072 128.213,7.133 128.213,86.68 ; 114.336,96.369 ccw(c114.831,98.306) 116.213,96.861 119.213,99.73 cw(c122.891,95.885) 128.213,95.885 128.213,86.68 ; 114.336,96.369 125.337,91.206 cw(c123.213,86.68) 128.213,86.68 ; 121.001,87.713 cw(c119.635,84.406) 123.213,84.406 ; 121.001,87.713 121.764,89.562 ; 121.764,89.562 cw(c119.635,84.406) 125.213,84.406 ; 123.213,84.406 125.213,84.406 ; 111.001,6.099 ccw(c109.635,9.406) 113.213,9.406 115.213,9.406 cw(c109.635,9.406) 111.764,4.251 111.001,6.099
  lines w0.25: 0,12 0,0 12,0
  lines w0.5: 18,14 18,5 28,5
Mechanical 4:
  lines w0.05: 4,25.425 4,41.425 ; 4,29 23.875,29
Mechanical 17:
  circle w0.02: c137.8,85.824 r1.6
  lines w0.25: 1,17 12,6 18,0 101,0 115,14 115,76 94,97 26,97 1,72 1,17
Mechanical 18:
  circle w1.016: c17,80 r5
  circle w1.016: c102,80 r5
  circle w1.016: c17,10 r5
  circle w1.016: c102,10 r5
  lines w0.25: 12,0 34.25,0 ; 104,97 125,76 125,14 111,0
  lines w0.3: 12,0 0,12 0,71 26,97 103.575,97 ; 34.25,0 88.75,0 101,0 ; 106,5 115,14 115,17.65 115,75.575 ; 0.5,11.5 0.5,11.5 ; 0.5,11.5 0.5,11.5 ; 8,79 8,79

## Text inside footprints (layer, text, board x,y; h text height)
D3: Top Overlay "+" at 38.8,82.32 h1.8; Top Overlay "-" at 39.895,75.48 h2; Mechanical 14 "+" at 38.8,82.32 h1.8; Mechanical 14 "-" at 39.895,75.48 h2
D4: Top Overlay "+" at 31.07,81.2 h1.8 r270; Top Overlay "-" at 24.23,80.105 h2 r270; Mechanical 14 "+" at 31.07,81.2 h1.8 r270; Mechanical 14 "-" at 24.23,80.105 h2 r270
J4: Top Overlay "1" at 55.348,83.193 h1; Mechanical 14 "1" at 55.348,83.193 h1
J5: Top Overlay "GR" at 91.77,83.38 h1; Top Overlay "YL" at 75.26,83.38 h1
J6: Top Overlay "15" at 106.238,24.679 h1.5 r270; Top Overlay "8" at 103.698,24.679 h1.5 r270; Top Overlay "1" at 103.698,46.869 h1.5 r270; Top Overlay "9" at 106.238,46.996 h1.5 r270
J12: Top Overlay "1" at 34.637,11.752 h1 r180; Mechanical 14 "1" at 34.637,11.752 h1 r180
J13: Top Overlay "14" at 26.688,61.65 h1.02 r90; Mechanical 14 "14" at 26.688,61.65 h1.02 r90
J14: Top Overlay "1" at 49.83,86.19 h1 r90; Mechanical 14 "1" at 49.83,86.19 h1 r90
U13: Top Overlay "REFDES" at 51.223,23.635 h1.27 r180; Top Overlay "RefDes" at 50.905,23.635 h1.27 r180; Top Overlay "*" at 61.611,14.254 h1.27 r180; Mechanical 13 "RefDes2" at 51.223,23.635 h1.27 r180; Mechanical 13 "*" at 59.033,14.635 h1.27 r180